# KiCad board DFTBoard.kicad_pcb (continued)
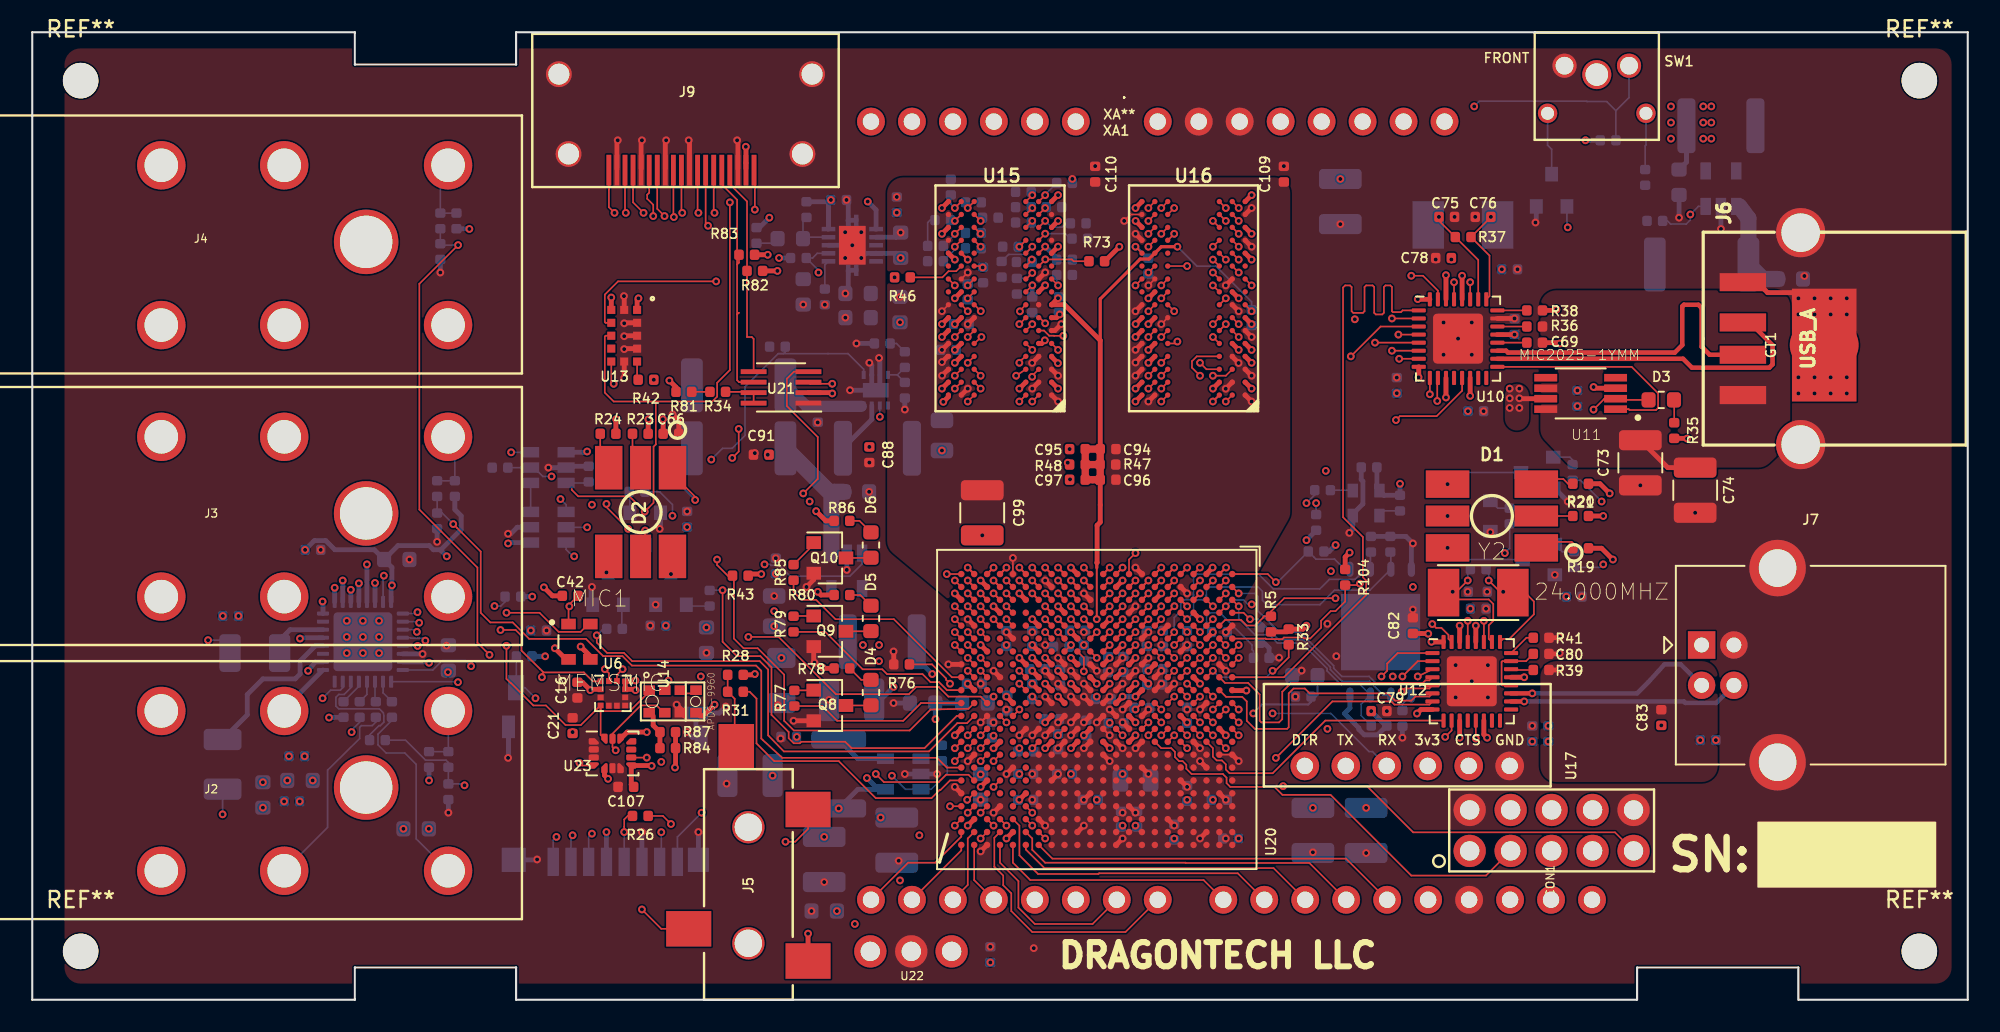
[diagram p0: board, top side]
## Footprints (pads in the part's own frame, mm; a bottom-side part is the same pattern mirrored in y, then rotated) (continued)
C_0402_1005Metric
  rrect 0.59x0.64 smd: 1(-0.485,0) 2(0.485,0)
C_0603_1608Metric
  rrect 0.875x0.95 smd: 1(-0.787,0) 2(0.787,0)
C_0805_2012Metric
  rrect 0.975x1.4 smd: 1(-0.938,0) 2(0.938,0)
C_1206_3216Metric
  rrect 1.25x1.75 smd: 1(-1.4,0) 2(1.4,0)
C_1210_3225Metric
  rrect 1.25x2.65 smd: 1(-1.4,0) 2(1.4,0)
C_1812_4532Metric
  rrect 1.125x3.4 smd: 1(-2.138,0) 2(2.138,0)
CP_EIA-3528-12_Kemet-T
  rrect 1.325x2.35 smd: 1(-1.538,0) 2(1.538,0)
Cypress-002-18827-0-0-0
  rrect 0.95x0.45 smd: 1(-3.9,1.905) 2(-3.9,0.635) 3(-3.9,-0.635) 4(-3.9,-1.905) 5(3.9,-1.905) 6(3.9,-0.635) 7(3.9,0.635) 8(3.9,1.905)
  rect 4.75x4.9 smd: 9(0,0)
FBGA-96-DDR3-SDRAM
  round 0.33 smd: A1(-3.2,6) A2(-2.4,6) A3(-1.6,6) A7(1.6,6) A8(2.4,6) A9(3.2,6) B1(-3.2,5.2) B2(-2.4,5.2) B3(-1.6,5.2) B7(1.6,5.2) B8(2.4,5.2) B9(3.2,5.2) C1(-3.2,4.4) C2(-2.4,4.4) C3(-1.6,4.4) C7(1.6,4.4) C8(2.4,4.4) C9(3.2,4.4) D1(-3.2,3.6) D2(-2.4,3.6) D3(-1.6,3.6) D7(1.6,3.6) D8(2.4,3.6) D9(3.2,3.6) E1(-3.2,2.8) E2(-2.4,2.8) E3(-1.6,2.8) E7(1.6,2.8) E8(2.4,2.8) E9(3.2,2.8) F1(-3.2,2) F2(-2.4,2) F3(-1.6,2) F7(1.6,2) F8(2.4,2) F9(3.2,2) G1(-3.2,1.2) G2(-2.4,1.2) G3(-1.6,1.2) G7(1.6,1.2) G8(2.4,1.2) G9(3.2,1.2) H1(-3.2,0.4) H2(-2.4,0.4) H3(-1.6,0.4) H7(1.6,0.4) H8(2.4,0.4) H9(3.2,0.4) J1(-3.2,-0.4) J2(-2.4,-0.4) J3(-1.6,-0.4) J7(1.6,-0.4) J8(2.4,-0.4) J9(3.2,-0.4) K1(-3.2,-1.2) K2(-2.4,-1.2) K3(-1.6,-1.2) K7(1.6,-1.2) K8(2.4,-1.2) K9(3.2,-1.2) L1(-3.2,-2) L2(-2.4,-2) L3(-1.6,-2) L7(1.6,-2) L8(2.4,-2) L9(3.2,-2) M1(-3.2,-2.8) M2(-2.4,-2.8) M3(-1.6,-2.8) M7(1.6,-2.8) M8(2.4,-2.8) M9(3.2,-2.8) N1(-3.2,-3.6) N2(-2.4,-3.6) N3(-1.6,-3.6) N7(1.6,-3.6) N8(2.4,-3.6) N9(3.2,-3.6) P1(-3.2,-4.4) P2(-2.4,-4.4) P3(-1.6,-4.4) P7(1.6,-4.4) P8(2.4,-4.4) P9(3.2,-4.4) R1(-3.2,-5.2) R2(-2.4,-5.2) R3(-1.6,-5.2) R7(1.6,-5.2) R8(2.4,-5.2) R9(3.2,-5.2) T1(-3.2,-6) T2(-2.4,-6) T3(-1.6,-6) T7(1.6,-6) T8(2.4,-6) T9(3.2,-6)
FTDI_CONN
  round 1.778 hole 1.016: 1(0,-6.35) 2(0,-3.81) 3(0,-1.27) 4(0,1.27) 5(0,3.81) 6(0,6.35)
gndtie
  rect 3x4 smd: 1(-2,0) 2(2,0)
JUMPER_3PIN
  round 2 hole 1.2: 1(-2.54,0) 2(0,0) 3(2.5,0)
LGA-12_2x2mm_P0.5mm
  rect 0.375x0.35 smd: 1(-0.762,0.75) 2(-0.762,0.25) 3(-0.762,-0.25) 4(-0.762,-0.75) 7(0.762,-0.75) 8(0.762,-0.25) 9(0.762,0.25) 10(0.762,0.75)
  rect 0.35x0.375 smd: 5(-0.25,-0.762) 6(0.25,-0.762) 11(0.25,0.762) 12(-0.25,0.762)
LGA-14_3x2.5mm_P0.5mm_LayoutBorder3x4y
  custom 0.625x0.4 smd: 1(-1.163,0.75) 4(-1.163,-0.75) 8(1.163,-0.75) 11(1.163,0.75)
  rrect 0.625x0.4 smd: 2(-1.163,0.25)
  rrect 0.625x0.38 smd: 3(-1.163,-0.25) 9(1.163,-0.25) 10(1.163,0.24)
  custom 0.4x0.625 smd: 5(-0.5,-0.912) 7(0.5,-0.912) 12(0.5,0.912) 14(-0.5,0.912)
  rrect 0.38x0.625 smd: 6(0,-0.912) 13(0,0.912)
MIC_SPW2430HR5H-B
  rect 0.9x0.66 smd: 1(-0.675,1.095) 2(-0.675,-1.095) 3(0.675,-1.095) 4(0.675,1.095)
MountingHole_2.2mm_M2
  round 2.2 hole 2.2 unplated: (0,0)
Optical_LGA12
  rect 0.5x0.5 smd: 1(0.8,1.6) 2(0.8,0.8) 3(0.8,0) 4(0.8,-0.8) 5(0.8,-1.6) 6(0,-1.6) 7(-0.8,-1.6) 8(-0.8,-0.8) 9(-0.8,0) 10(-0.8,0.8) 11(-0.8,1.6) 12(0,1.6)
PLCC6-SM-RGB-LED
  rect 2.7x1.699 smd: 1(-2.751,1.976) 3(-2.751,-1.976) 4(2.751,-1.976) 6(2.751,1.976)
  rect 2.7x1.3 smd: 2(-2.751,0) 5(2.751,0)
QFN-32-1EP_5x5mm_P0.5mm_EP3.1x3.1mm
  rrect 0.83x0.83 smd: (-1.03,1.03) (-1.03,0) (-1.03,-1.03) (0,1.03) (0,0) (0,-1.03) (1.03,1.03) (1.03,0) (1.03,-1.03)
  rrect 0.875x0.25 smd: 1(-2.438,1.75) 2(-2.438,1.25) 3(-2.438,0.75) 4(-2.438,0.25) 5(-2.438,-0.25) 6(-2.438,-0.75) 7(-2.438,-1.25) 8(-2.438,-1.75) 17(2.438,-1.75) 18(2.438,-1.25) 19(2.438,-0.75) 20(2.438,-0.25) 21(2.438,0.25) 22(2.438,0.75) 23(2.438,1.25) 24(2.438,1.75)
  rrect 0.25x0.875 smd: 9(-1.75,-2.438) 10(-1.25,-2.438) 11(-0.75,-2.438) 12(-0.25,-2.438) 13(0.25,-2.438) 14(0.75,-2.438) 15(1.25,-2.438) 16(1.75,-2.438) 25(1.75,2.438) 26(1.25,2.438) 27(0.75,2.438) 28(0.25,2.438) 29(-0.25,2.438) 30(-0.75,2.438) 31(-1.25,2.438) 32(-1.75,2.438)
  rrect 3.1x3.1 smd: 33(0,0)
QFN-32-1EP_5x5mm_P0.5mm_EP3.65x3.65mm
  rrect 0.98x0.98 smd: (-1.22,-1.22) (-1.22,0) (-1.22,1.22) (0,-1.22) (0,0) (0,1.22) (1.22,-1.22) (1.22,0) (1.22,1.22)
  rrect 0.75x0.25 smd: 1(-2.475,1.75) 2(-2.475,1.25) 3(-2.475,0.75) 4(-2.475,0.25) 5(-2.475,-0.25) 6(-2.475,-0.75) 7(-2.475,-1.25) 8(-2.475,-1.75) 17(2.475,-1.75) 18(2.475,-1.25) 19(2.475,-0.75) 20(2.475,-0.25) 21(2.475,0.25) 22(2.475,0.75) 23(2.475,1.25) 24(2.475,1.75)
  rrect 0.25x0.75 smd: 9(-1.75,-2.475) 10(-1.25,-2.475) 11(-0.75,-2.475) 12(-0.25,-2.475) 13(0.25,-2.475) 14(0.75,-2.475) 15(1.25,-2.475) 16(1.75,-2.475) 25(1.75,2.475) 26(1.25,2.475) 27(0.75,2.475) 28(0.25,2.475) 29(-0.25,2.475) 30(-0.75,2.475) 31(-1.25,2.475) 32(-1.75,2.475)
  rrect 3.65x3.65 smd: 33(0,0)
R_0402_1005Metric
  rrect 0.59x0.64 smd: 1(-0.485,0) 2(0.485,0)
R_2512_6332Metric
  rrect 1.35x3.35 smd: 1(-2.9,0) 2(2.9,0)
RA49C14B
  round 4 hole 3.25: NC(-12.7,-5.16)
  round 3 hole 2.08: NC(0,-9.91) R(-7.62,0) RB(-7.62,-9.91) S(0,0) T(-17.78,0) TB(-17.78,-9.91)
SJ-352X-SMT
  rect 2.2x2.8 smd: 1(0,-3.7) 2(9.4,-3.7) 3(2,3.7)
  rect 2.8x2.2 smd: 4(13.3,0.75)
  round 2 hole 1.7: ~(1.1,0) ~(8.3,0)
SOP65P490X110-8N
  rect 1.42x0.47 smd: 1(-2.165,0.975) 2(-2.165,0.325) 3(-2.165,-0.325) 4(-2.165,-0.975) 5(2.165,-0.975) 6(2.165,-0.325) 7(2.165,0.325) 8(2.165,0.975)
SOT-23
  rect 0.9x0.8 smd: 1(-1,0.95) 2(-1,-0.95) 3(1,0)
SOT-23-5
  rect 1.06x0.65 smd: 1(-1.1,0.95) 2(-1.1,0) 3(-1.1,-0.95) 4(1.1,-0.95) 5(1.1,0.95)
SOT-23-6
  rect 1.06x0.65 smd: 1(-1.1,0.95) 2(-1.1,0) 3(-1.1,-0.95) 4(1.1,-0.95) 5(1.1,0) 6(1.1,0.95)
SSOP-8_2.95x2.8mm_P0.65mm
  rect 1.6x0.3 smd: 1(-1.7,0.975) 2(-1.7,0.325) 3(-1.7,-0.325) 4(-1.7,-0.975) 5(1.7,-0.975) 6(1.7,-0.325) 7(1.7,0.325) 8(1.7,0.975)
tl6215_right_angle
  round 1.5 hole 1.1: 1(2,2.05) 2(-2,2.05)
  round 1.2 hole 0.8: 3(3.05,5) 4(-3.05,5)
  round 1.8 hole 1.4: ~(0,2.6)
USB-A-Receptacle-FCI_87583
  rect 1.12x2.88 smd: 1(-3.5,1.44) 2(-1.001,1.44) 3(1.001,1.44) 4(3.5,1.44)
  round 3.048 hole 2.388: 5(-6.571,-2.141) 5(6.571,-2.141)
USB_B_OST_USB-B1HSxx_Horizontal
  rect 1.7x1.7 hole 0.92: 1(0,0)
  round 1.7 hole 0.92: 2(0,-2.5) 3(2,-2.5) 4(2,0)
  round 3.5 hole 2.33: 5(4.71,4.77) 5(4.71,-7.27)
VSON-10-1EP_3x3mm_P0.5mm_EP1.65x2.4mm_ThermalVias
  rect 0.64x0.64 smd: (-0.48,-0.86) (-0.48,0) (-0.48,0.86) (0.48,-0.86) (0.48,0) (0.48,0.86)
  rect 0.85x0.28 smd: 1(-1.475,1) 2(-1.475,0.5) 3(-1.475,0) 4(-1.475,-0.5) 5(-1.475,-1) 6(1.475,-1) 7(1.475,-0.5) 8(1.475,0) 9(1.475,0.5) 10(1.475,1)
  rect 0.28x0.7 smd: 11(-0.25,-1.55) 11(-0.25,1.55) 11(0.25,-1.55) 11(0.25,1.55)
  rect 1.65x2.4 smd far side: 11(0,0)
  rect 1.65x2.4 smd: 11(0,0)
WSON-8-1EP_2x2mm_P0.5mm_EP0.9x1.6mm
  rect 0.75x0.65 smd: (0,-0.4) (0,0.4)
  rect 0.5x0.25 smd: 1(-0.95,0.75) 2(-0.95,0.25) 3(-0.95,-0.25) 4(-0.95,-0.75) 5(0.95,-0.75) 6(0.95,-0.25) 7(0.95,0.25) 8(0.95,0.75)
  rect 0.9x1.6 smd: 9(0,0)
XilinxJTAG
  round 2 hole 1.2: 1(1.27,-5.08) 2(-1.27,-5.08) 3(1.27,-2.54) 4(-1.27,-2.54) 5(1.27,0) 6(-1.27,0) 7(1.27,2.54) 8(-1.27,2.54) 9(1.27,5.08) 10(-1.27,5.08)
XTAL500X320X130N
  rect 1.95x2.95 smd: 1(-2.15,0) 2(2.15,0)
XTAL_ASDMB-24.000MHZ-LC-T
  rect 0.85x0.65 smd: 1(-0.775,0.825) 2(-0.775,-0.825) 3(0.775,-0.825) 4(0.775,0.825)

## Nets
1v0en: R1.2 U1.6 U3.3
1v8en: R2.2 U1.5 U7.3
1v35en: R4.2 U2.5 U5.1
1v35PG: U5.6 U20.V4
3v3en: R3.2 U2.6 U4.3
+1V0: C8.1 C9.1 C11.1 C12.1 C23.1 C24.1 C25.1 C27.1 C28.1 C29.1 C30.1 C31.1 L3.2 U3.4 U20.G8 U20.H9 U20.H11 U20.J8 U20.J10 U20.J12 U20.J14 U20.K13 U20.L8 U20.L14 U20.M13 U20.N8 U20.N14 U20.P13 U20.R8 U20.R14
+1V8: C4.1 C5.1 C6.1 C14.1 C15.1 C17.1 C18.1 C19.1 C20.1 C22.1 C26.1 C32.1 C51.1 C53.1 C78.1 C87.1 CON1.4 FB1.2 L4.2 R9.2 R10.2 R17.1 R27.2 R28.2 R29.2 R44.1 U7.4 U9.32 U10.28 U10.30 U12.28 U12.30 U20.H10 U20.K9 U20.K11 U20.M9 U20.P9 U20.R12 U20.T7 U20.T8 U20.T9 U20.T10
+1V35: C7.1 C94.1 C96.1 C99.1 C100.1 C101.1 C102.1 C103.1 C104.1 C109.1 C110.1 C125.1 C126.1 L1.2 R6.2 R47.1 R75.2 U5.5 U8.2 U15.A1 U15.A8 U15.B2 U15.C1 U15.C9 U15.D2 U15.D9 U15.E9 U15.F1 U15.G7 U15.H2 U15.H9 U15.K2 U15.K8 U15.N1 U15.N9 U15.R1 U15.R9 U16.A1 U16.A8 U16.B2 U16.C1 U16.C9 U16.D2 U16.D9 U16.E9 U16.F1 U16.G7 U16.H2 U16.H9 U16.K2 U16.K8 U16.N1 U16.N9 U16.R1 U16.R9 U20.E2 U20.F5 U20.H1 U20.J4 U20.K7 U20.M3 U20.N6 U20.R2 U20.V1
+3V3: C10.1 C16.1 C21.1 C39.2 C41.2 C46.1 C47.1 C50.1 C52.2 C54.2 C55.1 C56.2 C57.1 C58.2 C59.1 C60.1 C61.1 C62.1 C65.1 C66.1 C67.1 C68.1 C70.1 C71.1 C79.1 C81.1 C82.1 C88.1 C89.1 C90.2 C91.2 C92.2 C107.1 C111.1 C113.1 C114.1 C115.1 C116.1 C117.1 C118.1 C119.1 C120.1 C121.1 C122.1 C123.1 C127.2 J8.4 L2.2 R5.1 R25.1 R33.2 R35.2 R42.1 R43.1 R82.1 R83.1 R84.2 R87.1 R95.2 R98.2 R99.1 R101.1 R102.2 R103.1 R104.1 R106.2 U4.4 U6.2 U6.9 U6.10 U8.10 U9.7 U9.18 U9.24 U9.25 U10.8 U10.11 U10.14 U10.32 U12.8 U12.11 U12.14 U12.32 U13.1 U13.11 U14.5 U17.3 U18.4 U19.8 U20.A10 U20.AA10 U20.AA20 U20.AB3 U20.AB13 U20.B3 U20.B13 U20.C6 U20.D9 U20.E12 U20.T5 U20.U8 U20.U18 U20.V11 U20.V21 U20.W4 U20.W14 U20.Y7 U20.Y17 U21.2 U22.3 U23.5 U23.8 U23.12 XA1.3V3 XA1.IORF
+5V: C2.1 C43.1 C44.1 C72.1 C77.1 C83.2 C86.1 J7.1 J9.18 R1.1 R2.1 R3.1 R4.1 R19.1 R20.1 R21.1 R22.1 R23.1 R24.1 R39.2 R45.1 R78.1 R80.2 R81.2 R86.2 R88.1 R89.1 R90.1 U1.1 U2.1 U3.1 U10.21 U11.7 U12.21 XA1.5V1 XA1.VIN
/Power/1V0TOLX: L3.1 U3.5
/Power/1V8_CS: C13.1 R90.2 U7.1
/Power/1V8TOLX: L4.1 U7.5
/Power/1V35_CS: C108.1 R89.2 U5.8
/Power/3V3_CS: C3.1 R88.2 U4.1
/Power/3V3TOLX: L2.1 U4.5
/Power/VCCAUX: C33.1 C34.1 FB1.1 U20.L10 U20.N10 U20.P11 U20.R10
/Sensors/3.3V_R: R84.1 R87.2 U14.8
GND: C1.2 C2.2 C3.2 C4.2 C5.2 C6.2 C7.2 C8.2 C9.2 C10.2 C11.2 C12.2 C13.2 C14.2 C15.2 C16.2 C17.2 C18.2 C19.2 C20.2 C21.2 C22.2 C23.2 C24.2 C25.2 C26.2 C27.2 C28.2 C29.2 C30.2 C31.2 C32.2 C33.2 C34.2 C36.1 C39.1 C41.1 C43.2 C44.2 C46.2 C47.2 C50.2 C51.2 C53.2 C55.2 C57.2 C59.2 C61.2 C63.2 C64.2 C65.2 C66.2 C67.2 C68.2 C69.1 C70.2 C71.2 C72.2 C73.1 C74.1 C75.1 C76.1 C77.2 C78.2 C79.2 C80.1 C81.2 C82.2 C83.1 C84.1 C85.1 C86.2 C87.2 C88.2 C89.2 C90.1 C91.1 C92.1 C93.2 C95.2 C97.2 C98.2 C99.2 C100.2 C101.2 C102.2 C103.2 C104.2 C105.2 C106.2 C107.2 C108.2 C109.2 C110.2 C111.2 C113.2 C114.2 C115.2 C116.2 C117.2 C118.2 C119.2 C120.2 C121.2 C122.2 C123.2 C125.2 C126.2 C127.1 C128.2 C129.2 C130.2 C131.2 CON1.2 CON1.10 GT1.1 J6.4 J6.5 J7.4 J7.5 J8.6 J8.10 J8.11 J9.2 J9.5 J9.8 J9.11 J9.17 J9.SH Q1.2 Q2.2 Q3.2 Q4.2 Q5.2 Q6.2 Q7.2 Q8.2 Q9.2 Q10.2 R8.2 R38.2 R41.2 R46.2 R48.2 R49.2 R74.2 R76.2 R91.2 R92.2 R93.2 R94.2 R96.2 R97.2 SW1.1 U1.2 U2.2 U3.2 U4.2 U5.2 U5.3 U5.9 U6.3 U6.5 U6.6 U6.7 U6.8 U7.2 U8.4 U8.8 U8.11 U9.6 U10.23 U10.33 U11.3 U12.33 U13.2 U13.3 U13.4 U13.6 U13.12 U14.6 U15.A9 U15.B1 U15.B3 U15.B9 U15.D1 U15.D8 U15.E1 U15.E2 U15.E8 U15.F9 U15.G1 U15.G8 U15.G9 U15.J2 U15.J8 U15.M1 U15.M9 U15.P1 U15.P9 U15.T1 U15.T9 U16.A9 U16.B1 U16.B3 U16.B9 U16.D1 U16.D8 U16.E1 U16.E2 U16.E8 U16.F9 U16.G1 U16.G8 U16.G9 U16.J2 U16.J8 U16.M1 U16.M9 U16.P1 U16.P9 U16.T1 U16.T9 U17.1 U18.2 U19.4 U19.9 U20.A5 U20.A15 U20.A16 U20.A17 U20.A18 U20.A19 U20.A20 U20.A21 U20.A22 U20.AA5 U20.AA15 U20.AB8 U20.AB18 U20.B8 U20.B15 U20.B16 U20.B17 U20.B18 U20.B19 U20.B20 U20.B21 U20.B22 U20.C1 U20.C11 U20.C15 U20.C16 U20.C17 U20.C18 U20.C19 U20.C20 U20.C21 U20.C22 U20.D4 U20.D14 U20.D15 U20.D16 U20.D17 U20.D18 U20.D19 U20.D20 U20.D21 U20.D22 U20.E7 U20.E15 U20.E16 U20.E17 U20.E18 U20.E19 U20.E20 U20.E21 U20.E22 U20.F10 U20.F15 U20.F16 U20.F17 U20.F18 U20.F19 U20.F20 U20.F21 U20.F22 U20.G3 U20.G9 U20.G10 U20.G15 U20.G16 U20.G17 U20.G18 U20.G19 U20.G20 U20.G21 U20.G22 U20.H6 U20.H8 U20.H12 U20.H14 U20.H15 U20.H16 U20.H17 U20.H18 U20.H19 U20.H20 U20.H21 U20.H22 U20.J9 U20.J11 U20.J13 U20.J15 U20.J16 U20.J17 U20.J18 U20.J19 U20.J20 U20.J21 U20.J22 U20.K2 U20.K8 U20.K10 U20.K12 U20.K14 U20.K15 U20.K16 U20.K17 U20.K18 U20.K19 U20.K20 U20.K21 U20.K22 U20.L5 U20.L9 U20.L11 U20.L12 U20.L13 U20.L15 U20.L16 U20.L17 U20.L18 U20.L19 U20.L20 U20.L21 U20.L22 U20.M8 U20.M10 U20.M11 U20.M12 U20.M14 U20.M15 U20.M16 U20.M17 U20.M18 U20.M19 U20.M20 U20.M21 U20.M22 U20.N1 U20.N9 U20.N11 U20.N12 U20.N13 U20.N15 U20.N16 U20.N17 U20.N18 U20.N19 U20.N20 U20.N21 U20.N22 U20.P4 U20.P8 U20.P10 U20.P12 U20.P14 U20.P15 U20.P16 U20.P17 U20.P18 U20.P19 U20.P20 U20.P21 U20.P22 U20.R9 U20.R11 U20.R13 U20.R15 U20.R16 U20.R17 U20.R18 U20.R19 U20.R20 U20.R21 U20.R22 U20.T13 U20.T15 U20.T16 U20.T17 U20.T18 U20.T19 U20.T20 U20.U3 U20.U13 U20.V6 U20.V16 U20.W9 U20.W19 U20.Y2 U20.Y12 U20.Y22 U21.1 U22.2 U23.1 U23.2 U23.3 U23.6 U23.7 XA1.GND1 XA1.GND2 XA1.GND3
GNDA: C35.1 C42.2 C45.1 C52.1 C54.1 C56.1 C58.1 C60.2 C62.2 GT1.2 J2.RB J2.S J3.RB J3.S J4.RB J4.S J5.1 MIC1.2 MIC1.3 U9.17 U9.21 U9.26 U9.33
/Audio/HPRCOM_C_N: C48.2 J5.3
/Audio/HPRCOM_C_P: C49.2 J5.2
/Audio/HPSWITCH: J5.4 R28.1 R31.2
/Audio/INSWITCH: J2.TB R17.2 R18.2
/Audio/JACK_IN_N: C40.2 J2.R
/Audio/JACK_IN_P: C37.2 J2.T
/Audio/JACK_INC_N: C40.1 U9.11
/Audio/JACK_INC_P: C37.1 U9.10
/Audio/LED_1BA: D1.3 R21.2
/Audio/LED_1BC: D1.4 Q5.3
/Audio/LED_1GA: D1.2 R20.2
/Audio/LED_1GC: D1.5 Q3.3
/Audio/LED_1RA: D1.1 R19.2
/Audio/LED_1RC: D1.6 Q1.3
/Audio/LED_2BA: D2.3 R24.2
/Audio/LED_2BC: D2.4 Q6.3
/Audio/LED_2GA: D2.2 R23.2
/Audio/LED_2GC: D2.5 Q4.3
/Audio/LED_2RA: D2.1 R22.2
/Audio/LED_2RC: D2.6 Q2.3
/Audio/LSWITCH: J3.TB R29.1 R30.2
/Audio/MICBIAS: C35.2 C42.1 MIC1.1 U9.15
/Audio/RSWITCH: J4.TB R27.1 R32.2
/Audio/SIG_F: C38.1 U9.12
/Audio/SIGC_F: C38.2 MIC1.4
/DDR3/PGOOD_LED: D7.2 R102.1
/DDR3/VREF: C93.1 C94.2 C95.1 C96.2 C97.1 C98.1 C105.1 C106.1 R47.2 R48.1 U8.1 U15.H1 U15.M8 U16.H1 U16.M8 U20.H7 U20.P7
/DDR3/ZQH: R46.1 U15.L8
/DDR3/ZQL: R49.1 U16.L8
/LCD50/SLED0_D: D4.1 Q8.3
/LCD50/SLED0_G: Q8.1 R77.1
/LCD50/SLED0_R: D4.2 R78.2
/LCD50/SLED1_D: D5.1 Q9.3
/LCD50/SLED1_G: Q9.1 R79.1
/LCD50/SLED1_R: D5.2 R80.1
/LCD50/SLED2_D: D6.1 Q10.3
/LCD50/SLED2_G: Q10.1 R85.1
/LCD50/SLED2_R: D6.2 R86.1
/Sensors/TEMPO_LED_D: Q7.3 SW1.3
/Sensors/TEMPO_LED_R: R45.2 SW1.4
/USB/USBH_FLAG_LED: D3.2 R35.1
ACC_INT1: U6.12 U20.W12
ACC_INT2: U6.11 U20.V12
AX_TCLK: CON1.1 U20.G11
AX_TDI: CON1.9 U20.H13
AX_TDO: CON1.3 U20.G14
AX_TMS: CON1.5 U20.G12
BOOTSPI_CS: R106.1 U19.1 U20.A1
BOOTSPI_DQ0_BMODE3: R92.1 U19.5 U20.A2
BOOTSPI_DQ1_BMODE1: R94.1 U19.2 U20.F6
BOOTSPI_DQ2_BMODE2: R93.1 U19.3 U20.E4
BOOTSPI_DQ3_BMODE0: R95.1 U19.7 U20.A3
BOOTSPI_SCK_BMODE4: R91.1 U19.6 U20.A4
CLK33.33: R100.2 U18.3
DDR3_A0: R51.1 U15.N3 U16.N3 U20.M4
DDR3_A1: R52.1 U15.P7 U16.P7 U20.M5
DDR3_A2: R53.1 U15.P3 U16.P3 U20.K4
DDR3_A3: R54.1 U15.N2 U16.N2 U20.L4
DDR3_A4: R55.1 U15.P8 U16.P8 U20.K6
DDR3_A5: R56.1 U15.P2 U16.P2 U20.K5
DDR3_A6: R57.1 U15.R8 U16.R8 U20.J7
DDR3_A7: R58.1 U15.R2 U16.R2 U20.J6
DDR3_A8: R59.1 U15.T8 U16.T8 U20.J5
DDR3_A9: R60.1 U15.R3 U16.R3 U20.H5
DDR3_A10: R61.1 U15.L7 U16.L7 U20.J3
DDR3_A11: R62.1 U15.R7 U16.R7 U20.G5
DDR3_A12: R63.1 U15.N7 U16.N7 U20.H4
DDR3_A13: R64.1 U15.T3 U16.T3 U20.F4
DDR3_A14: R65.1 U15.T7 U16.T7 U20.G4
DDR3_BA0: R66.1 U15.M2 U16.M2 U20.L7
DDR3_BA1: R67.1 U15.N8 U16.N8 U20.L6
DDR3_BA2: R68.1 U15.M3 U16.M3 U20.M6
DDR3_CAS#: R70.1 U15.K3 U16.K3 U20.P3
DDR3_CK_N: R50.2 U15.K7 U16.K7 U20.N5
DDR3_CK_P: R50.1 U15.J7 U16.J7 U20.N4
DDR3_CKE: U15.K9 U16.K9 U20.V3
DDR3_CS#: R73.1 U15.L2 U16.L2 U20.P6
DDR3_DM0: U16.E7 U20.B1
DDR3_DM1: U16.D3 U20.H3
DDR3_DM2: U15.E7 U20.P1
DDR3_DM3: U15.D3 U20.AA2
DDR3_DQ0: U16.E3 U20.C3
DDR3_DQ1: U16.F7 U20.F2
DDR3_DQ2: U16.F2 U20.B2
DDR3_DQ3: U16.F8 U20.F1
DDR3_DQ4: U16.H3 U20.E3
DDR3_DQ5: U16.H8 U20.E1
DDR3_DQ6: U16.G2 U20.D3
DDR3_DQ7: U16.H7 U20.D1
DDR3_DQ8: U16.D7 U20.L3
DDR3_DQ9: U16.C3 U20.L1
DDR3_DQ10: U16.C8 U20.L2
DDR3_DQ11: U16.C2 U20.J1
DDR3_DQ12: U16.A7 U20.K1
DDR3_DQ13: U16.A2 U20.G2
DDR3_DQ14: U16.B8 U20.K3
DDR3_DQ15: U16.A3 U20.G1
DDR3_DQ16: U15.E3 U20.T3
DDR3_DQ17: U15.F7 U20.T1
DDR3_DQ18: U15.F2 U20.M1
DDR3_DQ19: U15.F8 U20.T2
DDR3_DQ20: U15.H3 U20.M2
DDR3_DQ21: U15.H8 U20.R1
DDR3_DQ22: U15.G2 U20.N3
DDR3_DQ23: U15.H7 U20.R3
DDR3_DQ24: U15.D7 U20.AA3
DDR3_DQ25: U15.C3 U20.Y1
DDR3_DQ26: U15.C8 U20.Y3
DDR3_DQ27: U15.C2 U20.W1
DDR3_DQ28: U15.A7 U20.AA1
DDR3_DQ29: U15.A2 U20.U1
DDR3_DQ30: U15.B8 U20.W3
DDR3_DQ31: U15.A3 U20.U2
DDR3_DQS0_N: U16.G3 U20.D2
DDR3_DQS0_P: U16.F3 U20.C2
DDR3_DQS1_N: U16.B7 U20.J2
DDR3_DQS1_P: U16.C7 U20.H2
DDR3_DQS2_N: U15.G3 U20.P2
DDR3_DQS2_P: U15.F3 U20.N2
DDR3_DQS3_N: U15.B7 U20.W2
DDR3_DQS3_P: U15.C7 U20.V2
DDR3_DRST#: R74.1 U15.T2 U16.T2 U20.F3
DDR3_ODT: R72.1 U15.K1 U16.K1 U20.P5
DDR3_RAS#: R69.1 U15.J3 U16.J3 U20.R5
DDR3_VTT: C128.1 C129.1 C130.1 R51.2 R52.2 R53.2 R54.2 R55.2 R56.2 R57.2 R58.2 R59.2 R60.2 R61.2 R62.2 R63.2 R64.2 R65.2 R66.2 R67.2 R68.2 R69.2 R70.2 R71.2 R72.2 R73.2 U8.3 U8.5
DDR3_VTT_EN: R25.2 U8.7 U20.B6
DDR3_WE#: R71.1 U15.L3 U16.L3 U20.R4
HDMI_B_N: J9.3 U20.AA8
HDMI_B_P: J9.1 U20.AA9
HDMI_CEC: J9.13 U20.W5
HDMI_CLK_N: J9.12 U20.Y8
HDMI_CLK_P: J9.10 U20.Y9
HDMI_G_N: J9.6 U20.AA6
HDMI_G_P: J9.4 U20.AA7
HDMI_HEAC_N: J9.19 U20.AB6
HDMI_HEAC_P: J9.14 U20.AB7
HDMI_R_N: J9.9 U20.Y5
HDMI_R_P: J9.7 U20.Y6
HPCOM_N: C48.1 U9.20
HPCOM_P: C49.1 U9.22
I2C5_HDMI_SCLK: J9.15 R83.2 U21.6
I2C5_HDMI_SDA: J9.16 R82.2 U21.5
I2C33_HDMI_SCLK: U20.U9 U21.3
I2C33_HDMI_SDA: U20.U10 U21.4
I2C33_SCLK: R103.2 U6.1 U9.8 U13.10 U14.7 U20.C5 U23.13
I2C33_SDA: R104.2 U6.4 U9.9 U13.9 U14.1 U20.A6 U23.14
I2S_ADCSD: U9.5 U20.AB15
I2S_BCLK: U9.2 U20.AA13
I2S_DACSD: U9.4 U20.AA14
I2S_LRCLK: U9.3 U20.AB14
I2S_MCLK: U9.1 U20.Y13
IMU_INT1: U20.W15 U23.4
IMU_INT2: U20.Y15 U23.9
INIT_B: R10.1 U20.T14
IR_RX: U20.AA18 U22.1
JD_HOUT: R31.1 U20.AB17
JD_IN: C36.2 R18.1 R105.2 U20.W17
JD_LOUT: C63.1 R30.1 U20.AB16
JD_ROUT: C64.1 R32.1 U20.AB19
LCD_D0: U20.AB21 XA1.D0
LCD_D1: U20.AB22 XA1.D1
LCD_D2: U20.U19 XA1.SCL
LCD_D3: U20.W20 XA1.SDA
LCD_D4: U20.V5 XA1.A5
LCD_D5: U20.AB5 XA1.A4
LCD_D6: U20.AB4 XA1.A3
LCD_D7: U20.AA4 XA1.A2
LCD_D8: U20.Y4 XA1.A1
LCD_D9: U20.AB2 XA1.A0
LCD_D10: U20.U20 XA1.AREF
LCD_D11: U20.AA21 XA1.D2
LCD_D12: U20.AA22 XA1.D3
LCD_D13: U20.Y21 XA1.D4
LCD_D14: U20.Y20 XA1.D5
LCD_D15: U20.W22 XA1.D6
LCD_D16: U20.W21 XA1.D7
LCD_D17: U20.V22 XA1.D8
LCD_D18: U20.V20 XA1.D9
LCD_D19: U20.U22 XA1.D10
LCD_D20: U20.U21 XA1.D11
LCD_D21: U20.T22 XA1.D12
LCD_D22: U20.T21 XA1.D13
LCD_D23: U20.AB1 XA1.RST1
LED_1B_CTRL: R15.2 U20.Y19
LED_1G_CTRL: R13.2 U20.AB20
LED_1R_CTRL: R11.2 U20.AA19
LED_2B_CTRL: R16.2 U20.AA12
LED_2G_CTRL: R14.2 U20.Y11
LED_2R_CTRL: R12.2 U20.AB12
LOUT_N: J3.R U9.28
LOUT_P: J3.T U9.27
PROGRAM_B: R9.1 U20.T11
RF2_IRQ: U14.2 U20.E6
RF_IRQ: R43.2 U13.7 U20.AA11
ROUT_N: J4.R U9.30
ROUT_P: J4.T U9.29
SD_CD: J8.9 R99.2 U20.A13
SD_CLK: J8.5 R26.2
SD_CMD: J8.3 U20.E9
SD_D0: J8.7 U20.A7
SD_D1: J8.8 U20.E10
SD_D2: J8.1 U20.A8
SD_D3: J8.2 U20.F11
STATLED_0: R77.2 U20.AB11
STATLED_1: R79.2 U20.AB10
STATLED_2: R85.2 U20.AB9
TEMPO_LED: Q7.1 U20.R6
TEMPO_SW: R44.2 SW1.2 U20.Y14
TLV_RST#: U9.31 U20.AA17
UART33_RX: U17.4 U20.G7
UART33_TX: U17.5 U20.B4
USB0_CLK: U10.1 U20.A9
USB0_D0: U10.3 U20.C7
USB0_D1: U10.4 U20.G13
USB0_D2: U10.5 U20.B12
USB0_D3: U10.6 U20.F14
USB0_D4: U10.7 U20.A12
USB0_D5: U10.9 U20.B14
USB0_D6: U10.10 U20.F13
USB0_D7: U10.13 U20.C13
USB0_dir: U10.31 U20.E8
USB0_nxt: U10.2 U20.F9
USB0_RST: U10.27 U20.D10
USB0_stp: U10.29 U20.A11
USB1_CLK: U12.1 U20.D11
USB1_D0: U12.3 U20.E13
USB1_D1: U12.4 U20.B9
USB1_D2: U12.5 U20.D12
USB1_D3: U12.6 U20.B10
USB1_D4: U12.7 U20.E14
USB1_D5: U12.9 U20.C14
USB1_D6: U12.10 U20.D13
USB1_D7: U12.13 U20.C10
USB1_dir: U12.31 U20.C8
USB1_nxt: U12.2 U20.B11
USB1_RST: U12.27 U20.C12
USB1_stp: U12.29 U20.D8
USBD_D_N: J7.2 U12.19
USBD_D_P: J7.3 U12.18
USBH_CPEN: U10.17 U11.1
USBH_D_N: J6.2 U10.19
USBH_D_P: J6.3 U10.18
USBH_FAULT: D3.1 U11.2 U20.B7
USBH_VBUS: C73.2 C74.2 J6.1 R36.2 U11.6 U11.8
VMODE0: R96.1 U20.D5
VMODE1: R97.1 U20.E5
ZYNQ_POR: R5.2 U2.4 U20.B5
Net-(C1-Pad1): C1.1 U1.3
Net-(C45-Pad2): C45.2 U9.13
Net-(C69-Pad2): C69.2 U10.20
Net-(C75-Pad2): C75.2 R37.1 U10.26 Y1.1
Net-(C76-Pad2): C76.2 R37.2 U10.25 Y1.2
Net-(C80-Pad2): C80.2 U12.20 U12.23
Net-(C84-Pad2): C84.2 R40.1 U12.26 Y2.1
Net-(C85-Pad2): C85.2 R40.2 U12.25 Y2.2
Net-(C131-Pad1): C131.1 U8.6
Net-(D7-Pad1): D7.1 R101.2 U8.9
Net-(L1-Pad1): L1.1 U5.7
Net-(Q1-Pad1): Q1.1 R11.1
Net-(Q2-Pad1): Q2.1 R12.1
Net-(Q3-Pad1): Q3.1 R13.1
Net-(Q4-Pad1): Q4.1 R14.1
Net-(Q5-Pad1): Q5.1 R15.1
Net-(Q6-Pad1): Q6.1 R16.1
Net-(R6-Pad1): R6.1 R7.1 U5.4
Net-(R7-Pad2): R7.2 R8.1
Net-(R26-Pad1): R26.1 U20.D6
Net-(R33-Pad1): R33.1 U20.C9
Net-(R34-Pad1): R34.1 U21.7 U21.8
Net-(R34-Pad2): R34.2 R81.1
Net-(R36-Pad1): R36.1 U10.22
Net-(R38-Pad1): R38.1 U10.24
Net-(R39-Pad1): R39.1 U12.22
Net-(R41-Pad1): R41.1 U12.24
Net-(R42-Pad2): R42.2 U13.5
Net-(R75-Pad1): R75.1 U20.M7
Net-(R76-Pad1): R76.1 U20.N7
Net-(R98-Pad1): R98.1 U18.1
Net-(R100-Pad1): R100.1 U20.F7
Net-(R105-Pad1): R105.1 U9.14
Net-(U1-Pad4): U1.4 U2.3
Net-(U14-Pad3): U14.3 U14.4

Pads without a net: CON1 6 7 8; J2 NC; J3 NC; J4 NC; J5 ~; SW1 ~; U9 16 19 23; U10 12 15 16; U11 4 5; U12 12 15 16 17; U13 8; U15 J1 J9 L1 L9 M7; U16 J1 J9 L1 L9 M7; U17 2 6; U20 A14 AA16 C4 D7 E11 F8 F12 G6 R7 T4 T6 T12 U4 U5 U6 U7 U11 U12 U14 U15 U16 U17 V7 V8 V9 V10 V13 V14 V15 V17 V18 V19 W6 W7 W8 W10 W11 W13 W16 W18 Y10 Y16 Y18; U23 10 11

## Via types
v1: diameter 0.48, hole 0.25, TOP_GND to BOTTOM, 964 vias

## Routing (per net, layer and track width the routed paths; a pad name or vN(x,y) marks a point on that pad's centre or on a via; arc(x,y) is an arc through that point)
1v0en: length 40.6
  SIGNAL1 w0.102: v1(41.45,20.05) 40.6,20.9 40.6,23.7 34.61,29.69 32.9,29.69 29.69,32.9 v1(29.69,33.95)
  SIGNAL2 w0.102: v1(41.45,20.05) 41.9,19.6 47.57,19.6 47.8,19.37 47.82,19.37 v1(53.3,13.89)
  BOTTOM w0.102: 55.2,12.95 U3.3 ; U3.3 54.14,13.05 v1(53.3,13.89) ; U3.3 55.73,13.05 56.73,14.05 56.73,14.48 R1.2 ; U1.6 v1(29.69,33.95)
1v8en: length 25.8
  SIGNAL1 w0.102: v1(32.2,32.45) 36.35,32.45 41.89,26.91 44.92,26.91 45.02,27 v1(45.4,27)
  BOTTOM w0.102: U7.3 51.45,27.03 50.69,26.26 46.99,26.26 46.32,26.94 45.8,26.94 45.74,27 v1(45.4,27) ; v1(32.2,32.45) 31.65,32.45 31.1,33 U1.5 R2.2
1v35en: length 26.2
  SIGNAL2 w0.102: v1(42.1,33.5) 39,33.5 34.8,29.3 v1(34.4,29.3)
  BOTTOM w0.102: 46.25,40.07 50.58,40.07 51.55,39.1 U5.1 ; 46.25,40.07 44.19,38.01 44.19,34.99 43.7,34.5 43.4,34.2 42.8,34.2 v1(42.1,33.5) ; 46.25,40.07 46.57,40.07 46.69,40.18 R4.2 ; U2.5 v1(34.4,29.3)
1v35PG: length 17.8
  TOP_GND w0.102: U20.V4 v1(60.4,24.4)
  SIGNAL1 w0.102: v1(60.4,24.4) 59.99,24.81 58.61,24.81 58.39,25.03 58.39,25.39 58.17,25.61 56.89,25.61 52.55,29.95 v1(52.55,36.15)
  BOTTOM w0.102: U5.6 v1(52.55,36.15)
3v3en: length 108.4
  SIGNAL2 w0.102: v1(33.6,27.5) 33.6,29.1 34.35,29.85 34.43,29.85 35.09,30.51 35.09,30.89 32.3,33.65 31.61,34.34 31.61,53.26 32.6,54.25 48.46,54.25 50.82,56.61 89.09,56.61 94.5,51.2 100.3,51.2 v1(102.8,48.7)
  BOTTOM w0.102: U4.3 103.3,49.2 v1(102.8,48.7) 102.8,48.36 102.55,48.11 101.57,48.11 101.38,48.3 R3.2 ; v1(33.6,27.5) 33.52,27.5 33.1,27.92 U2.6 32.9,28.35
+1V0: length 14.1
  TOP_GND w0.13: U20.H11 v1(68.4,18) ; U20.K13 v1(67.6,16.4) ; U20.P13 v1(63.6,16.4)
  TOP_GND w0.3: U20.R8 v1(62.8,21.2) ; U20.N8 v1(64.4,21.2) ; U20.J12 v1(68.4,17.2) ; U20.R14 v1(62.8,15.6) ; U20.N14 v1(64.4,15.6) ; v1(69.2,20.4) U20.G8 ; U20.M13 v1(65.2,16.4) ; U20.J8 v1(68.4,21.2) ; U20.L8 v1(66.8,21.2) ; v1(69.2,19.6) U20.H9 ; U20.J10 v1(68.4,19.6) ; U20.L14 v1(66.8,15.6) ; v1(68.4,16.4) U20.J14
  BOTTOM w0.3: 68.31,18.2 68.31,18.09 v1(68.4,18) ; v1(50,11.86) 51.19,13.05 U3.4 52.45,13.05 v1(51.75,13.75)
  vias: v1(45.9,13.9) v1(47.4,16.3) v1(49.1,10.1) v1(52.6,11.3) v1(58.8,13.97) v1(59.6,16.38)
+1V8: length 142.5
  TOP_GND w0.13: U20.M9 65.57,20
  TOP_GND w0.3: v1(62,19.6) U20.T10 ; R28.2 44.85,20.15 v1(44.8,20.2) ; U20.T8 v1(62,21.2) ; v1(63.6,20.4) U20.P9 ; U20.T7 v1(62,22) ; U20.R12 v1(62.8,17.2) ; U10.28 v1(88.65,44.9) ; C78.1 v1(87.99,45.91) ; U12.30 v1(88.5,23.2) ; U20.K9 v1(67.6,20.4) ; U20.T9 v1(62,20.4) ; U20.K11 v1(67.6,18.8) ; U20.H10 v1(68.4,18.8) ; U20.M9 v1(66,19.6) ; U10.30 v1(87.65,44.93) ; U12.28 v1(89.5,23.2)
  SIGNAL1 w0.3: v1(46,24.1) 40.96,24.1 34.7,30.36 v1(34.7,30.7) ; v1(24.6,13.6) 24.6,14.1 22.3,16.4 v1(22.3,25.7) ; v1(66.8,17.18) 66.31,16.68 66.31,14.56 68.96,11.91 77.36,11.91 79.07,10.2 86.3,10.2 88.52,7.98 94.8,7.98 95.45,8.63 95.45,9.83 94.8,10.48 93.6,10.48 92.31,11.77 CON1.4
  SIGNAL2 w0.3: CON1.4 92.74,12.85 92.74,15.55 90.9,17.39 90.9,21.8 v1(89.5,23.2) 89.5,23.91 v1(89.16,24.25) 89.16,24.12 89.04,23.99 88.76,23.99 88.5,23.73 v1(88.5,23.2) 87.3,22 87.3,19 86.65,18.35 84.85,18.35 83.89,19.31 v1(84.35,20.05) ; v1(34.7,30.7) 31.5,27.5 v1(25.7,27.5)
  BOTTOM w0.3: v1(68.4,18.8) v1(67.6,18.8) ; 25.34,27.91 25.34,27.86 v1(25.7,27.5) ; 25.34,27.91 24.86,27.91 24.61,28.16 22.68,28.16 C51.1 ; 25.34,27.91 26.59,29.16 26.59,30.01 26.2,30.4 26.2,31.22 ; v1(55.8,20.2) 54.84,21.16 L4.2 54.8,22.16 ; 97.22,53.3 v1(96.3,53.3) ; v1(53.4,19.4) 52.6,18.6 C6.1 ; v1(27.1,47.8) 27.08,47.81 R27.2 ; 22.25,24.68 22.25,25.65 v1(22.3,25.7) 22.3,26.81 C51.1 ; R17.1 v1(24.6,13.6) ; v1(56,17.4) 55.99,17.41 C26.1 FB1.2 ; v1(16.92,27.9) 17.49,28.47 18.2,28.47 18.76,27.91 21.2,27.91 C51.1
  vias: v1(46,23.16) v1(46.45,21.2) v1(51.5,22) v1(52.5,22) v1(52.5,21) v1(61.2,15.6) v1(61.2,14) v1(66,18.8)
+1V35: length 30.8
  TOP_GND w0.102: U16.K8 v1(69.2,44.3) ; U16.G7 v1(70,41.9) ; U15.K8 v1(58,45.1) ; U15.H9 v1(56.4,42.7) ; v1(67.7,48.3) 68.1,48.7 U16.R9 ; U16.N9 68.4,47.5 ; U20.V1 v1(60.8,27.4)
  TOP_GND w0.3: U20.E2 v1(71.6,25.2) ; U16.R1 v1(75.6,49.1) ; U16.C9 v1(68.4,38.7) ; U20.F5 v1(70,22.8) ; U15.G7 v1(58,41.9) ; U16.D9 68.78,39.9 v1(68.4,39.52) ; U20.H1 v1(68.4,26.8) ; U20.J4 v1(68.4,24.4) ; v1(68.4,47.5) 68.8,47.1 U16.N9 ; v1(74,37.89) 74.4,38.3 U16.B2 ; v1(74,44.3) U16.K2 ; U16.F1 v1(75.6,41.1) ; U16.H9 v1(68.4,42.7) ; U16.H2 v1(74.8,42.7) ; U20.N6 v1(64.4,22.8) ; U15.C1 v1(63.6,38.7) ; U16.E9 68.8,40.7 v1(68.4,40.3) ; U15.K2 62.4,44.71 v1(62.8,45.11) ; U16.D2 74.4,39.88 v1(74.79,39.49) ; v1(75.6,38.7) U16.C1 ; v1(56.4,39.55) 56.76,39.9 U15.D9 ; v1(63.8,41.9) 63.4,41.5 U15.F1 ; U15.A8 v1(58,37.9) ; U20.M3 v1(65.2,25.2) ; U20.R2 v1(62.8,26) ; U16.A8 v1(69.2,37.1) ; U15.A1 v1(63.6,37.1) ; U15.E9 v1(56.4,40.3) ; U15.B2 v1(62,37.9) ; U20.K7 v1(67.6,22) ; U15.D2 v1(61.99,39.49) ; U15.C9 v1(56.41,38.71) ; U16.N1 v1(75.6,46.7) ; U15.H2 62.4,43.12 ; U16.A1 v1(75.6,37.1)
  GND1 w0.3: v1(74.8,42.7) 74.07,42.7 73.51,43.26 73.51,43.81 v1(74,44.3)
  BOTTOM w0.3: U8.2 53.55,47.29 v1(53.84,47.58) ; R6.2 v1(54.1,36.6) ; v1(65.2,22) v1(64.4,22.8)
  vias: v1(53.6,49.78) v1(53.8,43.59)
